# Allegro board 1156197-TDI_VU3P_QSFP28_CXP_V001_1023A-166-20241121_1644_PCB.brd (continued)
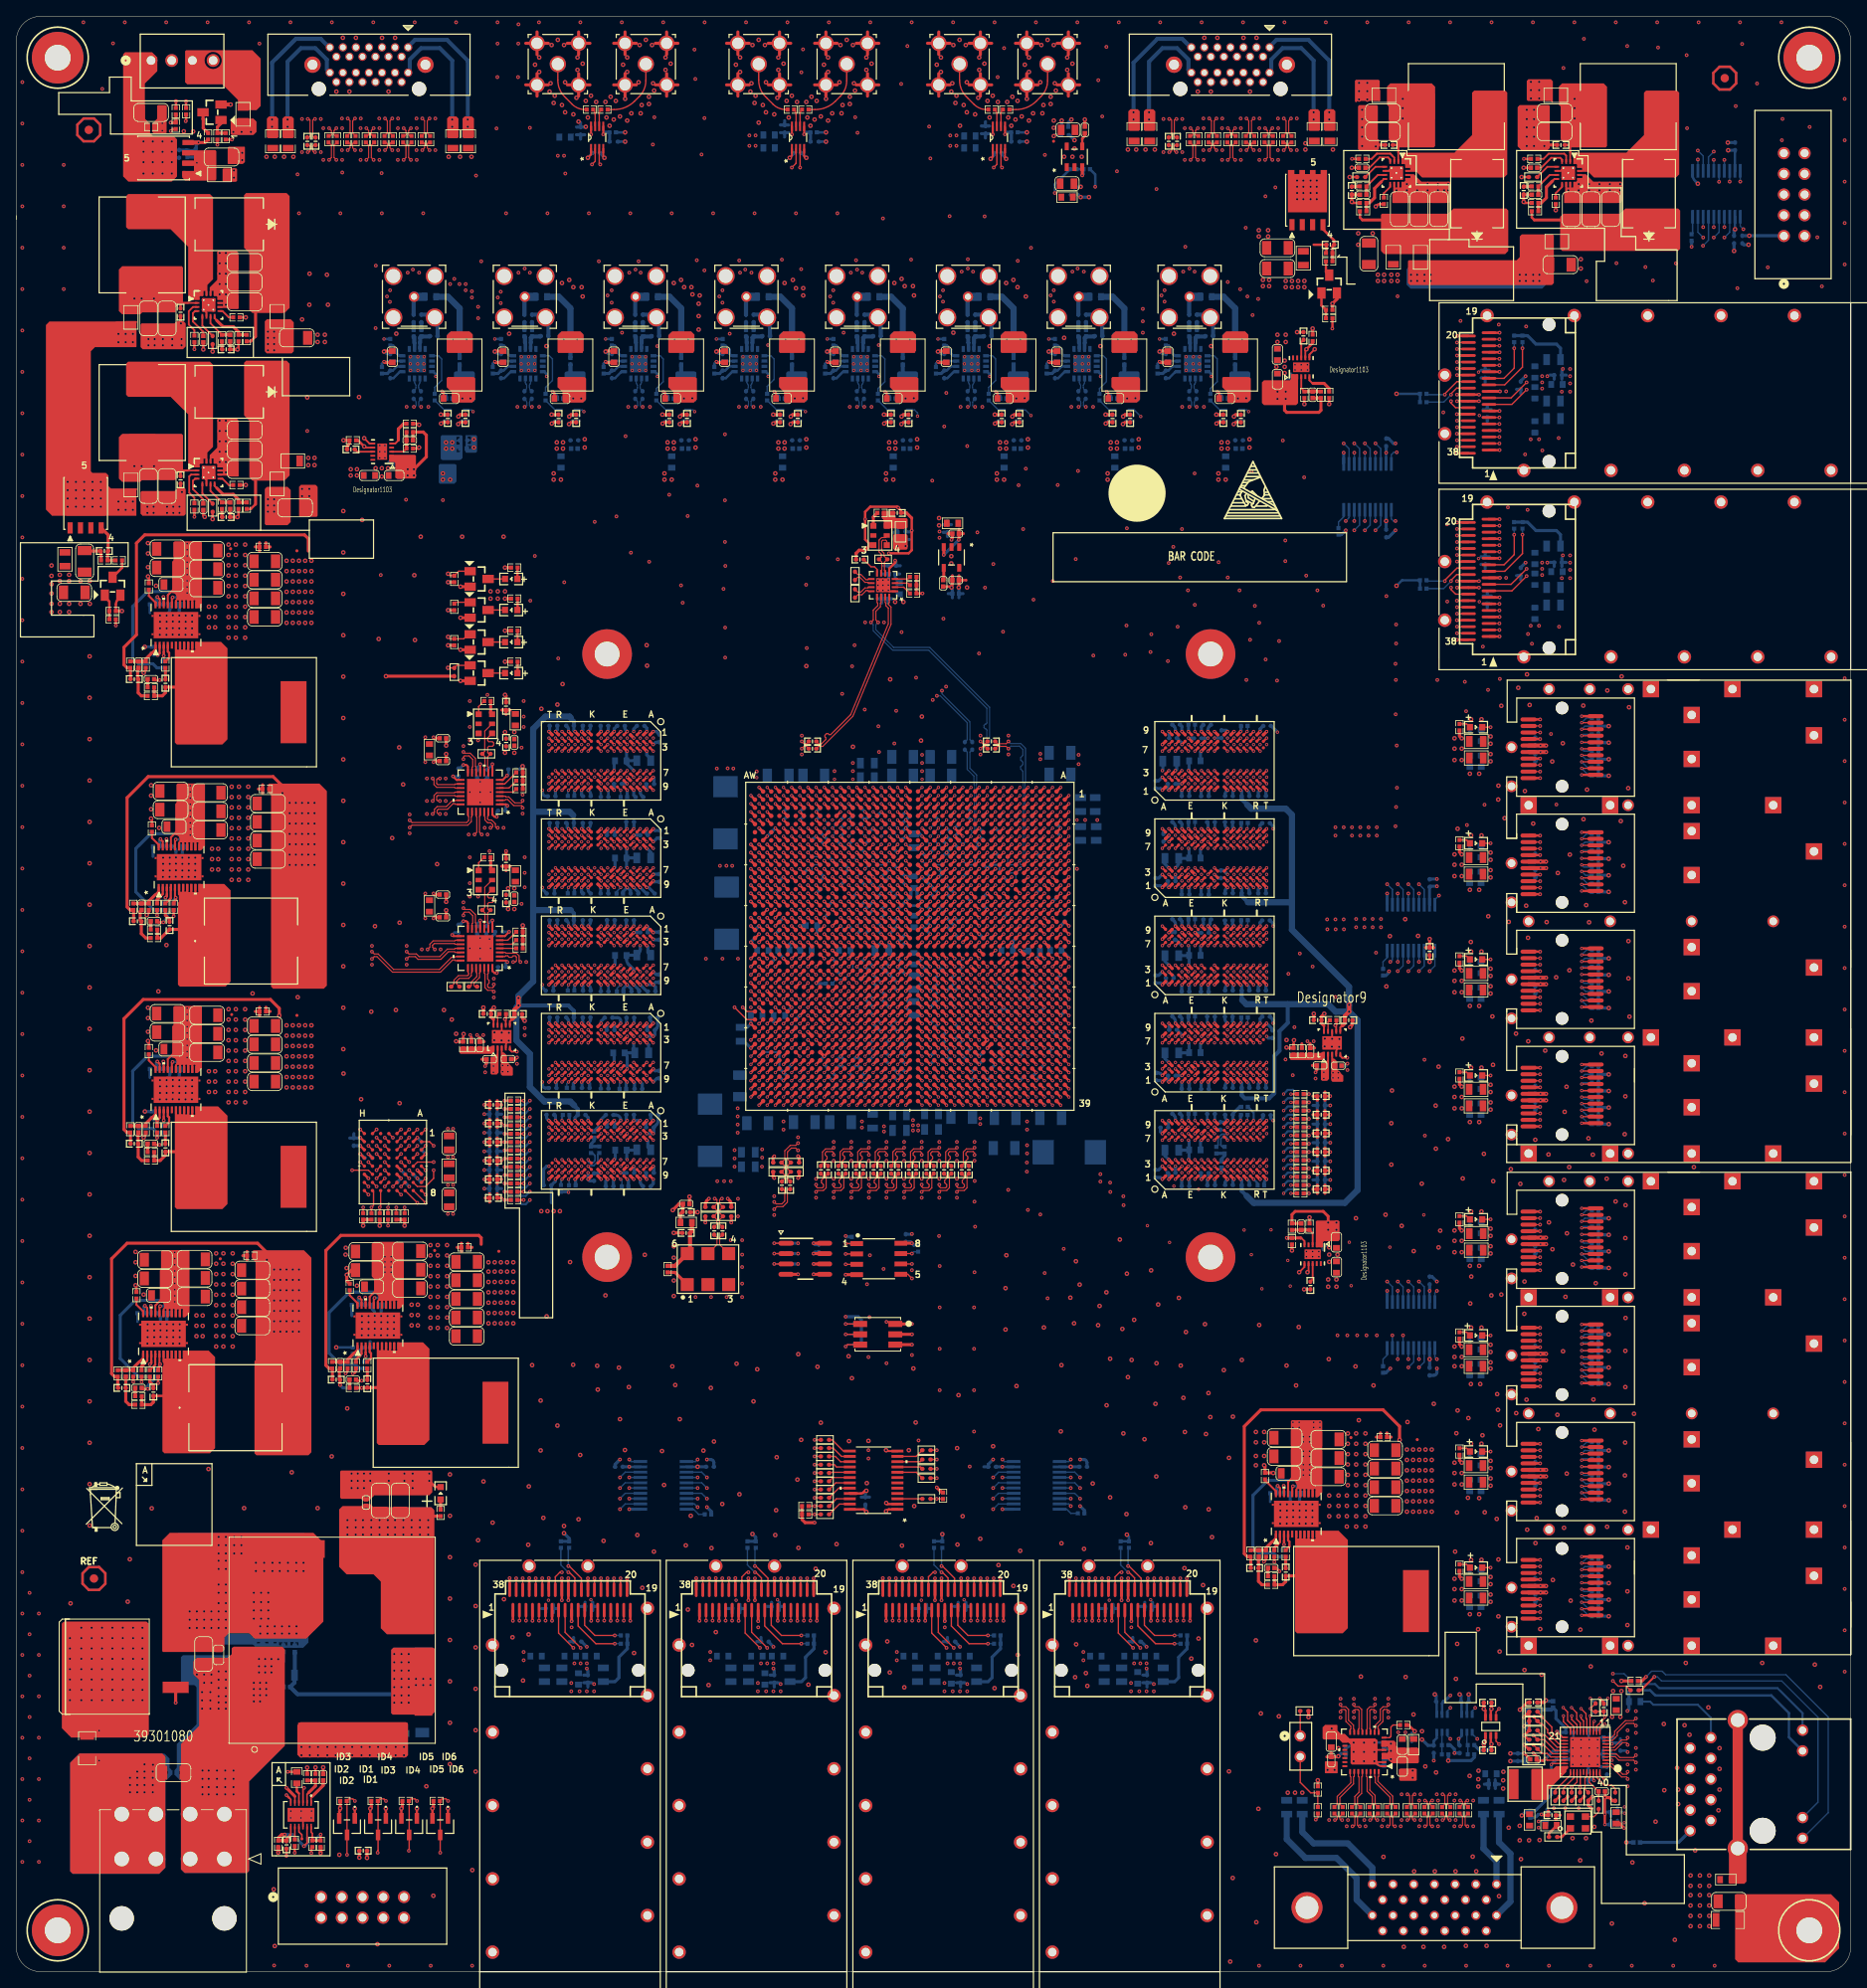
[diagram p0: board, top side]
## Placement (name value [footprint] x y rotation side) (continued)
R185  4K7  [R0402]  193.66 63.97 180 bottom
R186  4K7  [R0402]  193.65 72.13 180 bottom
R187  4K7  [R0402]  193.65 73.14 180 bottom
R188  4K7  [R0402]  167.64 73.91 90 bottom
R189  4K7  [R0402]  193.65 74.16 180 bottom
R190  4K7  [R0402]  193.65 75.17 180 bottom
R191  4K7  [R0402]  193.65 76.19 180 bottom
R192  4K7  [R0402]  193.65 77.21 180 bottom
R193  4K7  [R0402]  193.65 79.24 180 bottom
R194  4K7  [R0402]  193.65 78.22 180 bottom
R195  4K7  [R0402]  193.66 86.37 180 bottom
R196  4K7  [R0402]  193.66 87.39 180 bottom
R197  4K7  [R0402]  193.66 88.41 180 bottom
R198  4K7  [R0402]  193.66 89.42 180 bottom
R199  4K7  [R0402]  193.66 90.44 180 bottom
R200  4K7  [R0402]  193.66 91.45 180 bottom
R201  4K7  [R0402]  193.66 93.49 180 bottom
R202  4K7  [R0402]  193.66 92.47 180 bottom
R203  499R  [R0402]  177.02 49.59 270 top
R204  499R  [R0402]  177.02 63.84 270 top
R205  499R  [R0402]  177.02 78.09 270 top
R206  499R  [R0402]  177.02 92.34 270 top
R207  4K7  [R0402]  193.66 104.03 180 bottom
R208  4K7  [R0402]  193.66 105.05 180 bottom
R209  4K7  [R0402]  193.66 107.08 180 bottom
R210  4K7  [R0402]  193.66 108.1 180 bottom
R211  4K7  [R0402]  193.66 109.11 180 bottom
R212  4K7  [R0402]  193.66 111.14 180 bottom
R213  4K7  [R0402]  193.66 106.06 180 bottom
R214  4K7  [R0402]  193.66 110.13 180 bottom
R215  4K7  [R0402]  193.66 118.28 180 bottom
R216  4K7  [R0402]  193.66 119.3 180 bottom
R217  4K7  [R0402]  193.66 120.31 180 bottom
R218  4K7  [R0402]  193.66 121.33 180 bottom
R219  4K7  [R0402]  193.66 122.34 180 bottom
R220  4K7  [R0402]  193.66 123.36 180 bottom
R221  4K7  [R0402]  193.66 125.39 180 bottom
R222  4K7  [R0402]  167.64 122.68 90 bottom
R223  4K7  [R0402]  193.66 124.38 180 bottom
R224  4K7  [R0402]  193.65 132.53 180 bottom
R225  4K7  [R0402]  193.65 133.55 180 bottom
R226  4K7  [R0402]  193.65 134.56 180 bottom
R227  4K7  [R0402]  193.65 135.58 180 bottom
R228  4K7  [R0402]  193.65 136.6 180 bottom
R229  4K7  [R0402]  193.65 137.61 180 bottom
R230  4K7  [R0402]  193.65 139.64 180 bottom
R231  4K7  [R0402]  193.65 138.63 180 bottom
R232  4K7  [R0402]  193.66 146.78 180 bottom
R233  4K7  [R0402]  193.66 147.8 180 bottom
R234  4K7  [R0402]  193.66 148.81 180 bottom
R235  4K7  [R0402]  193.66 149.83 180 bottom
R236  4K7  [R0402]  193.66 150.85 180 bottom
R237  4K7  [R0402]  193.66 151.86 180 bottom
R238  4K7  [R0402]  193.66 153.89 180 bottom
R239  4K7  [R0402]  193.66 152.88 180 bottom
R240  499R  [R0402]  177.02 110 270 top
R241  499R  [R0402]  177.02 124.25 270 top
R242  499R  [R0402]  177.02 138.5 270 top
R243  499R  [R0402]  177.02 152.75 270 top
R244  4K7  [R0402]  162.18 176.78 90 bottom
R245  4K7  [R0402]  184.74 200.4 270 bottom
R246  4K7  [R0402]  183.72 200.4 270 bottom
R247  4K7  [R0402]  172.57 193.66 0 bottom
R248  4K7  [R0402]  172.57 192.65 0 bottom
R249  4K7  [R0402]  184.74 177.52 270 bottom
R250  4K7  [R0402]  183.72 177.52 270 bottom
R251  4K7  [R0402]  172.57 170.78 0 bottom
R252  4K7  [R0402]  172.57 169.76 0 bottom
R253  4K7  [R0402]  84.84 56.13 180 bottom
R254  4K7  [R0402]  74.55 40.26 180 bottom
R255  4K7  [R0402]  74.55 41.27 180 bottom
R256  4K7  [R0402]  67.81 52.43 270 bottom
R257  4K7  [R0402]  66.8 52.43 270 bottom
R258  4K7  [R0402]  97.43 40.26 180 bottom
R259  4K7  [R0402]  97.43 41.27 180 bottom
R260  4K7  [R0402]  90.7 52.43 270 bottom
R261  4K7  [R0402]  89.68 52.43 270 bottom
R262  4K7  [R0402]  130.61 56.26 180 bottom
R263  4K7  [R0402]  120.32 40.26 180 bottom
R264  4K7  [R0402]  120.32 41.27 180 bottom
R265  4K7  [R0402]  113.58 52.43 270 bottom
R266  4K7  [R0402]  112.57 52.43 270 bottom
R267  4K7  [R0402]  143.21 40.26 180 bottom
R268  4K7  [R0402]  143.21 41.27 180 bottom
R269  4K7  [R0402]  136.47 52.43 270 bottom
R270  4K7  [R0402]  135.45 52.43 270 bottom
R271  1K  [R0402]  67.96 197.67 270 bottom
R272  1K  [R0402]  54.38 197.67 270 bottom
R273  20K  [R0402]  59.46 199.99 90 bottom
R274  20K  [R0402]  45.87 199.99 90 bottom
R275  6R8  [R0402]  62.33 201.1 90 bottom
R276  82R  [R0402]  63.27 201.1 90 bottom
R277  6R8  [R0402]  48.74 201.1 90 bottom
R278  82R  [R0402]  49.68 201.1 90 bottom
R279  0R  [R0402]  64.92 193.26 270 bottom
R280  0R  [R0402]  51.33 193.26 270 bottom
R281  1K  [R0402]  95.14 197.67 270 bottom
R282  1K  [R0402]  81.55 197.67 270 bottom
R283  20K  [R0402]  86.63 199.99 90 bottom
R284  20K  [R0402]  73.04 199.99 90 bottom
R285  6R8  [R0402]  89.5 201.1 90 bottom
R286  82R  [R0402]  90.44 201.1 90 bottom
R287  6R8  [R0402]  75.91 201.1 90 bottom
R288  82R  [R0402]  76.85 201.1 90 bottom
R289  0R  [R0402]  92.09 193.26 270 bottom
R290  0R  [R0402]  78.51 193.26 270 bottom
R291  1K  [R0402]  122.32 197.67 270 bottom
R292  1K  [R0402]  108.73 197.67 270 bottom
R293  20K  [R0402]  113.81 199.99 90 bottom
R294  20K  [R0402]  100.22 199.99 90 bottom
R295  6R8  [R0402]  116.68 201.1 90 bottom
R296  82R  [R0402]  117.62 201.1 90 bottom
R297  6R8  [R0402]  103.09 201.1 90 bottom
R298  82R  [R0402]  104.03 201.1 90 bottom
R299  0R  [R0402]  119.27 193.26 270 bottom
R300  0R  [R0402]  105.68 193.26 270 bottom
R301  1K  [R0402]  149.5 197.67 270 bottom
R302  1K  [R0402]  135.91 197.67 270 bottom
R303  20K  [R0402]  140.99 199.99 90 bottom
R304  20K  [R0402]  127.4 199.99 90 bottom
R305  6R8  [R0402]  143.86 201.1 90 bottom
R306  82R  [R0402]  144.8 201.1 90 bottom
R307  6R8  [R0402]  130.27 201.1 90 bottom
R308  82R  [R0402]  131.21 201.1 90 bottom
R309  0R  [R0402]  146.45 193.26 270 bottom
R310  0R  [R0402]  132.86 193.26 270 bottom
R311  1K  [R0402_BGA]  193.7 32.42 90 bottom
R312  4K7  [R0402_BGA]  188.75 21.49 270 top
R313  0R  [R0402_BGA]  188.49 16.54 180 top
R314  0R  [R0402_BGA]  193.7 32.42 270 top
R315  100K  [R0402]  194.84 32.42 90 bottom
R316  0R  [R0402_BGA]  192.81 21.49 270 top
R317  2.49K  [R0402_BGA]  196.11 21.49 270 top
R318  0R  [R0402_BGA]  194.08 20.48 90 top
R319  1K  [R0402_BGA]  186.08 28.48 0 bottom
R320  4K7  [R0402_BGA]  186.08 28.48 180 top
R321  1K  [R0402_BGA]  186.08 29.62 0 bottom
R322  4K7  [R0402_BGA]  186.08 29.62 180 top
R323  1K  [R0402_BGA]  186.08 30.76 0 bottom
R324  4K7  [R0402_BGA]  186.08 30.76 180 top
R325  1K  [R0402_BGA]  186.08 27.34 180 top
R326  4K7  [R0402_BGA]  186.08 31.91 180 top
R327  1K  [R0402_BGA]  186.08 27.34 180 bottom
R328  4K7  [R0402_BGA]  189.76 21.49 270 top
R329  4K7  [R0402_BGA]  191.8 21.49 270 top
R330  499R  [R0402]  198.5 35.69 0 top
R331  1K  [R0402_BGA]  190.78 21.49 270 top
R332  0R  [R0402_BGA]  198.5 34.54 180 top
R333  0R  [R0402_BGA]  198.5 34.54 180 bottom
R334  499R  [R0402]  198.5 35.69 0 bottom
R335  10K  [R0402]  40.64 74.45 90 top
R336  4K12  [R0402]  38.73 74.45 90 top
R337  187K  [R0402]  40.89 84.05 270 top
R338  147K  [R0402]  41.55 81.84 0 bottom
R339  200K  [R0402]  43.21 81.84 0 bottom
R340  2R  [R0402]  43.05 74.45 270 top
R341  3K01  [R0402]  41.27 71.65 180 bottom
R342  2R  [R0402]  41.27 71.65 0 top
R343  200R  [R0402]  54.99 88.9 0 top
R344  100K  [R0402]  42.67 74.45 90 bottom
R345  20K  [R0402]  41.27 76.23 270 bottom
R346  10K  [R0402]  41.66 74.45 90 top
R347  10K  [R0402]  15.88 103.4 90 top
R348  10K  [R0402]  13.97 103.4 90 top
R349  187K  [R0402]  16.26 113 270 top
R350  110K  [R0402]  16.79 110.8 0 bottom
R351  200K  [R0402]  18.44 110.8 0 bottom
R352  2R  [R0402]  18.29 103.4 270 top
R353  3K01  [R0402]  16.51 99.57 180 top
R354  2R  [R0402]  16.51 100.61 0 top
R355  200R  [R0402]  30.23 117.86 0 top
R356  100K  [R0402]  17.91 103.4 90 bottom
R357  10K  [R0402]  14.35 73.43 90 top
R358  19K6  [R0402]  12.45 73.43 270 top
R359  187K  [R0402]  14.73 83.03 270 top
R360  120K  [R0402]  15.27 80.83 0 bottom
R361  200K  [R0402]  16.92 80.83 0 bottom
R362  0R  [R0402]  16.38 73.43 90 top
R363  3K01  [R0402]  14.99 69.6 180 top
R364  2R  [R0402]  14.99 70.64 0 top
R365  200R  [R0402]  28.7 87.88 0 top
R366  10K  [R0402]  17.04 73.43 90 bottom
R367  100K  [R0402]  16 73.43 90 bottom
R368  19K6  [R0402]  17.4 73.43 270 top
R369  10K  [R0402]  153.29 51.33 90 top
R370  44K2  [R0402]  151.38 51.33 270 top
R371  0R  [R0402]  15.37 73.43 270 top
R372  0R  [R0402]  154.31 51.33 270 top
R373  110K  [R0402]  154.2 58.73 0 bottom
R374  187K  [R0402]  153.16 60.83 270 top
R375  200K  [R0402]  155.85 58.73 0 bottom
R376  2R  [R0402]  155.7 51.33 270 top
R377  3K01  [R0402]  153.92 47.5 180 top
R378  0R  [R0402]  16.64 105.18 90 bottom
R379  2R  [R0402]  153.92 48.54 0 top
R380  499R  [R0402]  167.72 65.62 180 top
R381  0R  [R0402]  17.27 103.4 270 top
R382  0R  [R0402]  17.27 130.71 270 top
R383  100K  [R0402]  155.32 51.33 90 bottom
R384  10K  [R0402]  16.26 130.71 90 top
R385  6K34  [R0402]  14.35 130.71 270 top
R386  187K  [R0402]  16.64 140.31 270 top
R387  120K  [R0402]  17.17 138.1 0 bottom
R388  200K  [R0402]  18.82 138.1 0 bottom
R389  0R  [R0402]  18.29 130.71 90 top
R390  3K01  [R0402]  16.89 126.87 180 top
R391  2R  [R0402]  16.89 127.91 0 top
R392  200R  [R0402]  30.61 145.16 0 top
R393  10K  [R0402]  19.3 130.71 90 bottom
R394  100K  [R0402]  17.91 130.71 90 bottom
R395  6K34  [R0402]  19.3 130.71 270 top
R396  10K  [R0402]  15.88 160.43 90 top
R397  10K  [R0402]  13.97 160.43 90 top
R398  187K  [R0402]  16.26 170.02 270 top
R399  110K  [R0402]  16.79 167.82 0 bottom
R400  200K  [R0402]  18.44 167.82 0 bottom
R401  2R  [R0402]  18.29 160.43 270 top
R402  3K01  [R0402]  16.51 156.59 180 top
R403  2R  [R0402]  16.51 157.63 0 top
R404  200R  [R0402]  30.23 174.88 0 top
R405  100K  [R0402]  17.91 160.43 90 bottom
R406  499R  [R0402]  61.09 168.53 0 top
R407  0R  [R0402]  16.64 162.2 90 bottom
R408  0R  [R0402]  53.72 167.51 270 top
R409  4K7  [R0402]  48.26 189.99 180 top
R410  4K7  [R0402]  156.46 89.66 90 top
R411  6K04  [R0402]  48.26 188.98 180 top
R412  200R  [R0402]  46.61 185.29 0 bottom
R413  2K43  [R0402]  156.46 91.44 270 top
R414  499R  [R0402]  160.27 89.53 270 bottom
R415  10K7  [R0402]  48.26 186.94 0 top
R416  1K15  [R0402]  158.62 91.44 90 top
R417  1K  [R0402]  41.27 187.96 0 top
R418  4K7  [R0402]  161.04 193.55 90 top
R419  6K04  [R0402]  160.02 193.55 90 top
R420  200R  [R0402]  156.34 195.2 270 bottom
R421  10K7  [R0402]  157.99 193.55 270 top
R422  1K  [R0402]  159 200.53 270 top
R423  200R  [R0402]  115.21 169.14 0 bottom
R424  0R  [R0402]  129.64 221.23 0 bottom
R425  0R  [R0402]  131.29 221.23 0 bottom
R426  10K  [R0402]  128.63 226.44 180 bottom
R427  0R_DNP  [R0805]  33.27 36.4 180 bottom
R428  5mR  [R1206]  47.37 30.68 90 bottom
R429  4K7  [R0402]  52.04 56.31 90 top
R430  5mR  [R1206]  8.69 27.43 270 top
R431  10R  [R0603]  34.41 23.83 270 top
R432  10K  [R0402]  34.15 15.83 270 top
R433  1M  [R0402]  32.12 15.7 270 top
R434  49K9  [R0402]  35.68 23.88 90 top
R435  680K  [R0402]  37.33 15.7 90 top
R436  4K99  [R0402]  36.69 23.88 270 top
R437  100K  [R0402]  36.31 15.7 270 top
R438  1M  [R0402]  36.18 16.33 0 bottom
R439  0R  [R0402]  21.84 179.83 270 top
R440  187K  [R0402]  28.27 179.93 270 top
R442  78.7K  [R0402]  27 182.47 180 top
R443  0R  [R0402_BGA]  24.08 179.68 270 top
R444  10K  [R0402]  27.25 179.93 90 top
R445  2.55K  [R0402]  25.22 179.93 90 top
R446  187K  [R0402]  28.27 200.51 270 top
R447  0R  [R0402]  21.84 200.41 270 top
R449  78.7K  [R0402]  27 203.05 180 top
R450  0R  [R0402_BGA]  24.08 200.25 270 top
R451  10K  [R0402]  27.25 200.51 90 top
R452  2.55K  [R0402]  25.22 200.51 90 top
R453  187K  [R0402]  165.2 216.08 180 top
R454  0R  [R0402]  165.1 222.5 180 top
R456  78.7K  [R0402]  167.74 217.35 90 top
R457  0R  [R0402_BGA]  164.95 220.27 180 top
R458  10K  [R0402]  165.2 217.09 0 top
R459  2.55K  [R0402]  165.2 219.13 0 top
R460  0R  [R0402]  186.18 222.5 180 top
R461  187K  [R0402]  186.28 216.08 180 top
R463  78.7K  [R0402]  188.82 217.35 90 top
R464  0R  [R0402_BGA]  186.03 220.27 180 top
R465  10K  [R0402]  186.28 217.09 0 top
R466  2.55K  [R0402]  186.28 219.13 0 top
R467  4K7  [R0402]  106.02 179.04 180 top
R468  1K  [R0402]  110.01 169.16 180 top
R469  1K  [R0402]  110.01 170.18 180 top
R470  1K  [R0402]  110.01 171.2 180 top
R471  100R  [R0402_BGA]  106.32 173.35 180 top
R472  100R  [R0402_BGA]  102.87 169.16 90 top
R473  100R  [R0402_BGA]  102.87 171.32 90 top
R474  4K7  [R0402]  57.78 136.78 180 top
R475  1K  [R0402]  61.72 125.6 180 top
R476  100R  [R0402_BGA]  57.66 130.3 180 top
R477  100R  [R0402_BGA]  53.85 120.9 0 top
R478  100R  [R0402_BGA]  56.01 120.9 0 top
R479  1K  [R0402]  61.72 126.62 180 top
R480  1K  [R0402]  61.72 127.64 180 top
R481  4K7  [R0402]  57.78 155.96 180 top
R482  1K  [R0402]  61.72 145.16 180 top
R483  100R  [R0402_BGA]  57.66 149.48 180 top
R484  1K  [R0402]  61.72 146.18 180 top
R485  1K  [R0402]  61.72 147.19 180 top
R498  4K7  [R0402]  96.77 56.13 0 top
R499  4K7  [R0402]  96.77 57.15 0 top
R500  4K7  [R0402]  113.67 58.42 270 top
R501  0R  [R0402_BGA]  111.63 60.58 0 top
R502  0R  [R0402_BGA]  99.19 56.13 0 top
R503  0R  [R0402_BGA]  99.19 57.15 0 top
R504  0R  [R0402_BGA]  111.63 61.72 0 top
R505  0R  [R0402_BGA]  111.63 62.87 0 top
R506  0R  [R0402_BGA]  111.63 64.01 0 top
R507  0R  [R0402_BGA]  111.63 58.04 180 top
R508  0R  [R0402_BGA]  99.19 65.28 180 top
R509  0R  [R0402_BGA]  99.19 64.26 180 top
R510  0R  [R0402_BGA]  99.19 63.25 180 top
R511  0R  [R0402_BGA]  99.19 62.23 180 top
R512  0R  [R0402_BGA]  99.19 61.21 180 top
R513  0R  [R0402_BGA]  99.19 60.2 180 top
R514  0R  [R0402_BGA]  99.19 59.18 180 top
R515  0R  [R0402_BGA]  99.19 58.17 180 top
R516  0R_DNP  [R0805]  161.11 225.55 90 top
R517  0R_DNP  [R0805]  159.21 225.55 90 top
R518  0R  [R0402]  148.54 224.92 90 top
R519  0R_DNP  [R0805]  55.45 224.66 90 top
R520  0R_DNP  [R0805]  53.54 224.66 90 top
R521  0R  [R0402]  149.56 224.92 90 top
R522  0R  [R0402]  40.59 224.92 90 top
R523  0R  [R0402]  41.61 224.92 90 top
R524  0R  [R0402]  147.27 224.92 90 top
R525  0R  [R0402]  146.25 224.92 90 top
R526  0R  [R0402]  38.3 224.92 90 top
R527  0R  [R0402]  39.32 224.92 90 top
R528  0R  [R0402]  144.98 224.92 90 top
R529  0R  [R0402]  143.97 224.92 90 top
R530  0R  [R0402]  42.88 224.92 90 top
R531  0R  [R0402]  43.89 224.92 90 top
R532  0R  [R0402]  155.4 224.92 270 top
R533  0R  [R0402]  156.41 224.92 270 top
R534  0R  [R0402]  48.46 224.92 90 top
R535  0R  [R0402]  47.45 224.92 90 top
R536  0R  [R0402]  150.83 224.92 270 top
R537  0R  [R0402]  151.84 224.92 270 top
R538  0R  [R0402]  49.73 224.92 90 top
R539  0R  [R0402]  50.75 224.92 90 top
R540  0R  [R0402]  153.11 224.92 270 top
R541  0R  [R0402]  154.13 224.92 270 top
R542  0R  [R0402]  46.18 224.92 90 top
R543  0R  [R0402]  45.16 224.92 90 top
R544  0R_DNP  [R0805]  137.11 225.55 90 top
R545  0R_DNP  [R0805]  139.01 225.55 90 top
R546  0R_DNP  [R0805]  31.45 224.66 90 top
R547  0R_DNP  [R0805]  33.35 224.66 90 top
R548  0R  [R0402]  95 228.55 180 top
R549  4K7  [R0402_BGA]  97.92 224.61 180 bottom
R550  1K  [R0402]  97.79 225.76 0 bottom
R551  0R  [R0402]  96.77 228.55 0 top
R552  0R  [R0402]  70.36 228.55 180 top
R553  4K7  [R0402_BGA]  73.28 224.61 180 bottom
R554  1K  [R0402]  73.15 225.76 0 bottom
R555  0R  [R0402]  119.63 228.55 180 top
R556  0R  [R0402]  72.14 228.55 0 top
R557  4K7  [R0402_BGA]  122.56 224.61 180 bottom
R558  1K  [R0402]  122.43 225.76 0 bottom
R559  0R  [R0402]  121.41 228.55 0 top
R560  0R_DNP  [R0805]  179.96 20.19 270 bottom
R561  0R_DNP  [R0805]  181.86 20.19 270 bottom
R562  0R  [R0402]  178.05 19.81 270 top
R563  0R  [R0402]  177.04 19.81 270 top
R564  0R  [R0402]  175.9 19.81 270 top
R565  0R  [R0402]  174.88 19.81 270 top
R566  0R  [R0402]  169.16 19.81 90 top
R567  0R  [R0402]  168.15 19.81 90 top
R568  0R  [R0402]  172.72 19.81 270 top
R569  0R  [R0402]  167 19.81 90 top
R570  0R  [R0402]  173.74 19.81 270 top
R571  0R  [R0402]  165.99 19.81 90 top
R572  0R  [R0402]  164.85 19.81 90 top
R573  0R  [R0402]  163.83 19.81 90 top
R574  0R  [R0402]  171.58 19.81 270 top
R575  0R  [R0402]  162.69 19.81 90 top
R576  0R  [R0402]  170.56 19.81 270 top
R577  0R  [R0402]  161.67 19.81 90 top
R578  4K7  [R0402]  170.13 30.28 180 top
R579  0R_DNP  [R0402]  159.64 19.81 270 top
R580  0R_DNP  [R0805]  157.73 20.19 270 bottom
R581  0R_DNP  [R0805]  155.83 20.19 270 bottom
R582  5mR  [R1206]  209.93 6.35 0 top
R583  100K  [R0402]  16.54 226.42 0 top
R584  470K  [R0402]  20.98 223.11 90 bottom
R585  10K  [R0402]  23.52 225.27 90 top
R586  4K7  [R0402]  19.56 226.57 90 top
R587  0R  [R0402]  25.68 225.27 270 top
R588  1K  [R0402]  24.66 225.27 90 top
R589  0R  [R0402]  19.56 228.35 90 top
R590  0R  [R0402]  20.83 228.35 90 top
R592  470K  [R0402]  10.79 173.23 0 top
R593  10K  [R0402]  12.57 173.23 0 top
R594  0R  [R0402]  11.81 165.99 0 top
R595  1K  [R0402]  11.81 167 180 top
R596  470K  [R0402]  161.04 210.95 0 top
R597  10K  [R0402]  161.04 209.93 180 top
R598  0R  [R0402]  161.04 202.95 0 top
R599  1K  [R0402]  161.04 203.96 180 top
R600  0R  [R0402]  178.44 27.81 0 bottom
R601  4K7_DNP  [R0402]  178.44 26.67 180 bottom
R602  0R  [R0402]  175.26 27.81 0 bottom
R603  4K7_DNP  [R0402]  175.26 26.67 180 bottom
REF  -  [unnamed#2]  8.89 226.06 0 top
REF#2  -  [unnamed#2]  9.53 48.26 0 top
REF#3  -  [unnamed#2]  209.55 232.41 0 top
REF#4  -  [unnamed#2]  8.89 226.06 180 bottom
REF#5  -  [unnamed#2]  209.55 232.41 180 bottom
REF#6  -  [unnamed#2]  9.53 48.26 180 bottom
TP1  0m381  [TESTPOINT]  89.1 118.36 90 bottom
TP2  0m381  [TESTPOINT]  88.1 118.36 90 bottom
TP3  0m381  [TESTPOINT]  91.1 116.36 90 bottom
TP4  0m381  [TESTPOINT]  91.1 115.36 90 bottom
TP5  0m381  [TESTPOINT]  99.1 117.36 90 bottom
TP6  0m381  [TESTPOINT]  97.1 112.36 90 bottom
TP7  0m381  [TESTPOINT]  103.1 115.36 90 bottom
TP8  0m381  [TESTPOINT]  45.19 98.37 90 bottom
TP9  0m381  [TESTPOINT]  96.1 119.36 270 bottom
TP10  0m381  [TESTPOINT]  95.1 119.36 90 bottom
TP11  0m381  [TESTPOINT]  97.1 136.36 180 bottom
TP12  0m381  [TESTPOINT]  97.1 137.36 180 bottom
TP13  0m381  [TESTPOINT]  123.11 135.37 180 bottom
TP14  0m381  [TESTPOINT]  123.1 136.36 180 bottom
TP15  0m381  [TESTPOINT]  74.93 122.74 270 bottom
TP16  0m381  [TESTPOINT]  77.33 123.54 180 bottom
TP17  0m381  [TESTPOINT]  78.13 123.54 270 bottom
TP18  0m381  [TESTPOINT]  75.73 134.68 270 bottom
TP19  0m381  [TESTPOINT]  77.33 135.48 270 bottom
TP20  0m381  [TESTPOINT]  78.13 135.48 270 bottom
TP21  0m381  [TESTPOINT]  71.73 146.62 180 bottom
TP22  0m381  [TESTPOINT]  75.73 146.62 270 bottom
TP23  0m381  [TESTPOINT]  75.73 99.66 270 bottom
TP24  0m381  [TESTPOINT]  77.33 147.42 270 bottom
TP25  0m381  [TESTPOINT]  77.33 99.66 270 bottom
TP26  0m381  [TESTPOINT]  78.13 147.42 270 bottom
TP27  0m381  [TESTPOINT]  78.13 99.66 270 bottom
TP28  0m381  [TESTPOINT]  75.73 110.8 270 bottom
TP29  0m381  [TESTPOINT]  77.33 111.6 270 bottom
TP30  0m381  [TESTPOINT]  78.13 111.6 270 bottom
TP31  0m381  [TESTPOINT]  143.77 126.74 0 bottom
TP32  0m381  [TESTPOINT]  141.36 125.94 0 bottom
TP33  0m381  [TESTPOINT]  140.56 125.94 90 bottom
TP34  0m381  [TESTPOINT]  143.77 138.68 90 bottom
TP35  0m381  [TESTPOINT]  141.36 137.88 90 bottom
TP36  0m381  [TESTPOINT]  140.56 137.88 90 bottom
TP37  0m381  [TESTPOINT]  146.97 149.82 0 bottom
TP38  0m381  [TESTPOINT]  143.77 149.82 90 bottom
TP39  0m381  [TESTPOINT]  142.97 114 90 bottom
TP40  0m381  [TESTPOINT]  141.36 149.82 90 bottom
TP41  0m381  [TESTPOINT]  141.36 114 90 bottom
TP42  0m381  [TESTPOINT]  140.56 149.82 90 bottom
TP43  0m381  [TESTPOINT]  140.56 114 90 bottom
TP44  0m381  [TESTPOINT]  142.97 102.86 90 bottom
TP45  0m381  [TESTPOINT]  141.36 102.06 90 bottom
TP46  0m381  [TESTPOINT]  140.56 102.06 90 bottom
TP47  0m381  [TESTPOINT]  59.18 88.42 0 top
TP48  0m381  [TESTPOINT]  51.31 88.52 0 top
TP49  0m381  [TESTPOINT]  34.42 117.37 0 top
TP50  0m381  [TESTPOINT]  26.42 117.47 0 top
TP51  0m381  [TESTPOINT]  32.89 87.4 0 top
TP52  0m381  [TESTPOINT]  25.02 87.5 0 top
TP53  0m381  [TESTPOINT]  171.83 65.3 0 top
TP54  0m381  [TESTPOINT]  163.7 65.56 0 top
TP55  0m381  [TESTPOINT]  34.8 144.68 0 top
TP56  0m381  [TESTPOINT]  34.42 174.4 0 top
TP57  0m381  [TESTPOINT]  26.29 174.65 0 top
TP58  0m381  [TESTPOINT]  48.39 185.67 180 top
TP59  0m381  [TESTPOINT]  159.89 91.57 270 top
TP60  0m381  [TESTPOINT]  156.72 193.42 90 top
TP61  0m381  [TESTPOINT]  116.48 170.79 270 top
TP62  0m381  [TESTPOINT]  127.23 224.66 90 top
TP63  0m381  [TESTPOINT]  23.16 51.08 90 top
TP64  0m381  [TESTPOINT]  41.5 56.57 180 top
TP65  0m381  [TESTPOINT]  23.37 34.8 0 top
TP66  0m381  [TESTPOINT]  35.03 16.31 180 top
TP67  0m381  [TESTPOINT]  30.94 187.81 0 top
TP68  0m381  [TESTPOINT]  30.94 208.38 0 top
TP69  0m381  [TESTPOINT]  169.01 213.16 270 top
TP70  0m381  [TESTPOINT]  194.16 213.41 270 top
TP73  0m381  [TESTPOINT]  15.01 226.16 270 top
U1  XCVU3P-2FFVC1517I  [FFVC1517]  109.6 125.86 270 top
U2  25AA512T-I/SN  [25AA512T]  105.79 87.5 270 top
U3  PC28F512P30TFA  [PC28F512P30TFA_BGA64]  46.19 99.37 270 top
U4  -  [TXS0108EPWR]  208.53 218.21 90 bottom
U5  SIT5021AI-2DE-33E-100.000000X  [SIT5021]  84.84 86.23 0 top
U6  -  [TMP75BID]  96.77 87.5 0 top
U7  MT40A1G16TB-062E_IT_F  [FBGA_DDR4_96P]  71.73 124.74 90 top
U8  MT40A1G16TB-062E_IT_F  [FBGA_DDR4_96P]  71.73 136.68 90 top
U9  MT40A1G16TB-062E_IT_F  [FBGA_DDR4_96P]  71.73 100.86 90 top
U10  MT40A1G16TB-062E_IT_F  [FBGA_DDR4_96P]  71.73 148.62 90 top
U11  MT40A1G16TB-062E_IT_F  [FBGA_DDR4_96P]  71.73 112.8 90 top
U12  -  [TPS51200DRC]  59.54 114.76 90 top
U13  MT40A1G16TB-062E_IT_F  [FBGA_DDR4_96P]  146.96 124.74 270 top
U14  MT40A1G16TB-062E_IT_F  [FBGA_DDR4_96P]  146.96 136.68 270 top
U15  MT40A1G16TB-062E_IT_F  [FBGA_DDR4_96P]  146.96 112.8 270 top
U16  MT40A1G16TB-062E_IT_F  [FBGA_DDR4_96P]  146.96 148.62 270 top
U17  MT40A1G16TB-062E_IT_F  [FBGA_DDR4_96P]  146.96 100.86 270 top
U18  -  [TPS51200DRC]  161.39 114 90 top
U19  -  [TXS0108EPWR]  171.07 79.38 90 bottom
U20  -  [TXS0108EPWR]  171.07 128.14 90 bottom
U21  -  [TXS0108EPWR]  165.74 182.25 90 bottom
U22  -  [TXS0108EPWR]  79.38 59.69 180 bottom
U23  -  [TXS0108EPWR]  125.15 59.69 180 bottom
U24  -  [SN74AXC1T45DCKR]  54.08 191.02 90 bottom
U25  -  [SN74AXC1T45DCKR]  67.67 191.02 90 bottom
U26  EQCO125X40C1-I/8EX  [QFN_4X4MM_EQCO125]  49.18 197.36 270 bottom
U27  EQCO125X40C1-I/8EX  [QFN_4X4MM_EQCO125]  62.77 197.36 270 bottom
U28  -  [SN74AXC1T45DCKR]  81.26 191.02 90 bottom
U29  -  [SN74AXC1T45DCKR]  94.85 191.02 90 bottom
U30  EQCO125X40C1-I/8EX  [QFN_4X4MM_EQCO125]  76.35 197.36 270 bottom
U31  EQCO125X40C1-I/8EX  [QFN_4X4MM_EQCO125]  89.94 197.36 270 bottom
U32  -  [SN74AXC1T45DCKR]  108.44 191.02 90 bottom
U33  -  [SN74AXC1T45DCKR]  122.03 191.02 90 bottom
U34  EQCO125X40C1-I/8EX  [QFN_4X4MM_EQCO125]  103.53 197.36 270 bottom
U35  EQCO125X40C1-I/8EX  [QFN_4X4MM_EQCO125]  117.12 197.36 270 bottom
U36  -  [SN74AXC1T45DCKR]  149.21 191.02 90 bottom
U37  -  [SN74AXC1T45DCKR]  135.62 191.02 90 bottom
U38  EQCO125X40C1-I/8EX  [QFN_4X4MM_EQCO125]  130.71 197.36 270 bottom
U39  EQCO125X40C1-I/8EX  [QFN_4X4MM_EQCO125]  144.3 197.36 270 bottom
U40  -  [RTL8211FI-CG]  192.43 26.95 180 top
U41  -  [SN74AXC1T45DCKR]  180.85 30.1 0 top
U42  25MHz  [ECS-2520MV]  191.54 18.32 180 top
U43  TPS53355DQPR  [TPS53353DQP]  44.35 79.3 90 top
U44  TPS53353DQPR  [TPS53353DQP]  19.58 108.26 90 top
U45  TPS53318DQPR  [TPS53353DQP]  18.06 78.29 90 top
U46  TPS53353DQPR  [TPS53353DQP]  157 56.19 90 top
U47  TPS53318DQPR  [TPS53353DQP]  19.96 135.56 90 top
U48  TPS53353DQPR  [TPS53353DQP]  19.58 165.28 90 top
U49  -  [TPS7A9201DSKR]  44.88 186.56 180 top
U50  -  [TPS7A9201DSKR]  159 88.06 270 top
U51  -  [TPS7A9201DSKR]  157.61 196.93 90 top
U52  SPX3819M5-L-1-8/TR  [SPX3819M5-L-1-8]  114.71 173.58 270 top
U53  SPX3819M5-L-5-0/TR_DNP  [SPX3819M5-L-1-8]  129.79 222.76 90 top
U54  -  [QPI-5LZ]  38.74 40.68 0 top
U55  -  [LT4356HDE-1]  34.91 19.26 270 top
U56  TPS55340RTET  [RTE0016C]  23.57 184 0 top
U57  TPS55340RTET  [RTE0016C]  23.57 204.57 0 top
U58  TPS55340RTET  [RTE0016C]  169.27 220.78 270 top
U59  TPS55340RTET  [RTE0016C]  190.35 220.78 270 top
U60  -  [LMK1D1204RGT]  106.32 170.18 180 top
U61  LMK1D1208RHDT  [VQFN28_RHD_TEX]  56.9 125.6 180 top
U62  LMK1D1208RHDT  [VQFN28_RHD_TEX]  56.9 144.78 180 top
U63  -  [TCA9548APWR]  105.16 60.33 180 top
U64  SN74LVC2T45DCUR  [SN74LVC2T45_VSSOP8]  95.89 225.12 90 top
U65  SN74LVC2T45DCUR  [SN74LVC2T45_VSSOP8]  71.25 225.12 90 top
U66  SN74LVC2T45DCUR  [SN74LVC2T45_VSSOP8]  120.52 225.12 90 top
U67  -  [DS90LV804TSQ]  165.35 26.97 180 top
U68  -  [ATS-61800K-C2-R0]  109.47 124.71 270 top
U69  -  [SN74AXC1T45DCKR]  177.93 30.48 0 bottom
U70  -  [SN74AXC1T45DCKR]  174.88 30.48 0 bottom
X1  200MHZ  [SMD-3225]  105.94 176.28 270 top
X2  125MHz  [SMD-3225]  57.53 133.99 270 top
X3  156.25MHz  [SMD-3225]  57.53 153.16 270 top

## Library data of the parts
